# Altium PCB Copy+of+WX0.011.780PCB-4.2.pcbdoc (part 1 of 2)
Units mil, origin at the board's own origin, x right, y up, seen from the top; angles counter-clockwise.
Board outline 3138.9 x 10799.03 mil, 2 copper layers (Top Layer, Bottom Layer); 109 components, 87 nets, 467 pads, 386 vias.
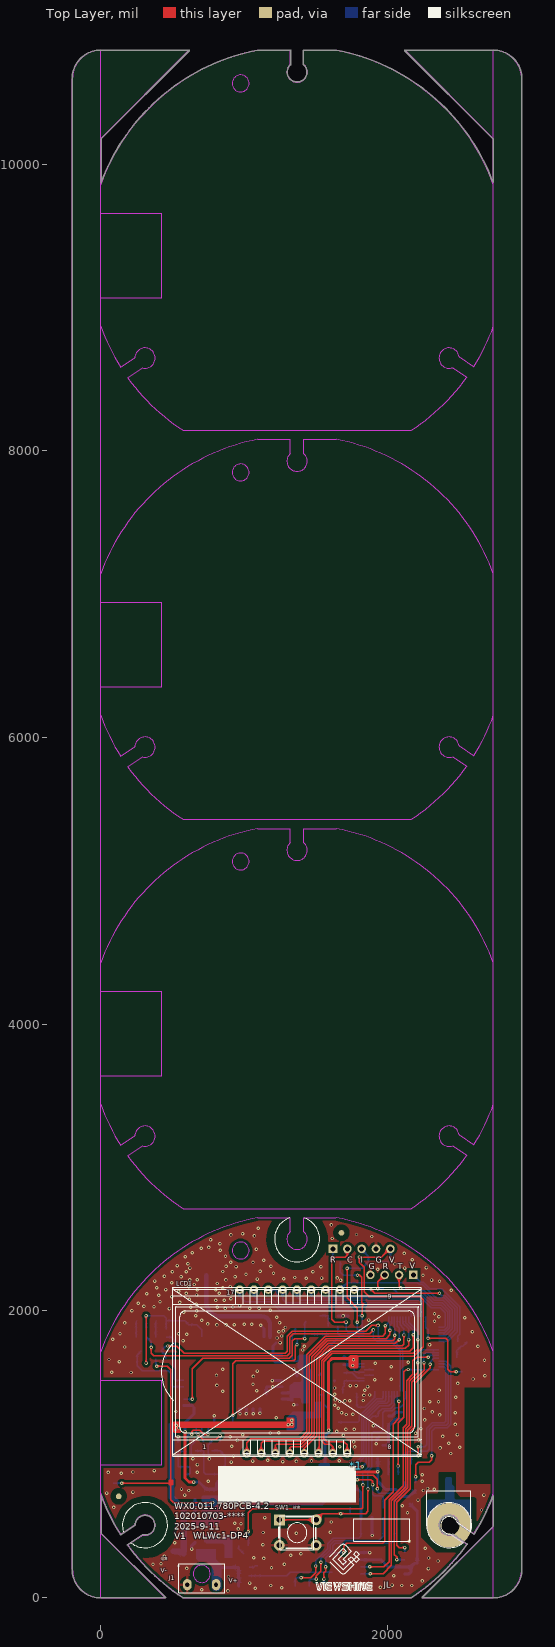
[diagram p0: Top Layer view]
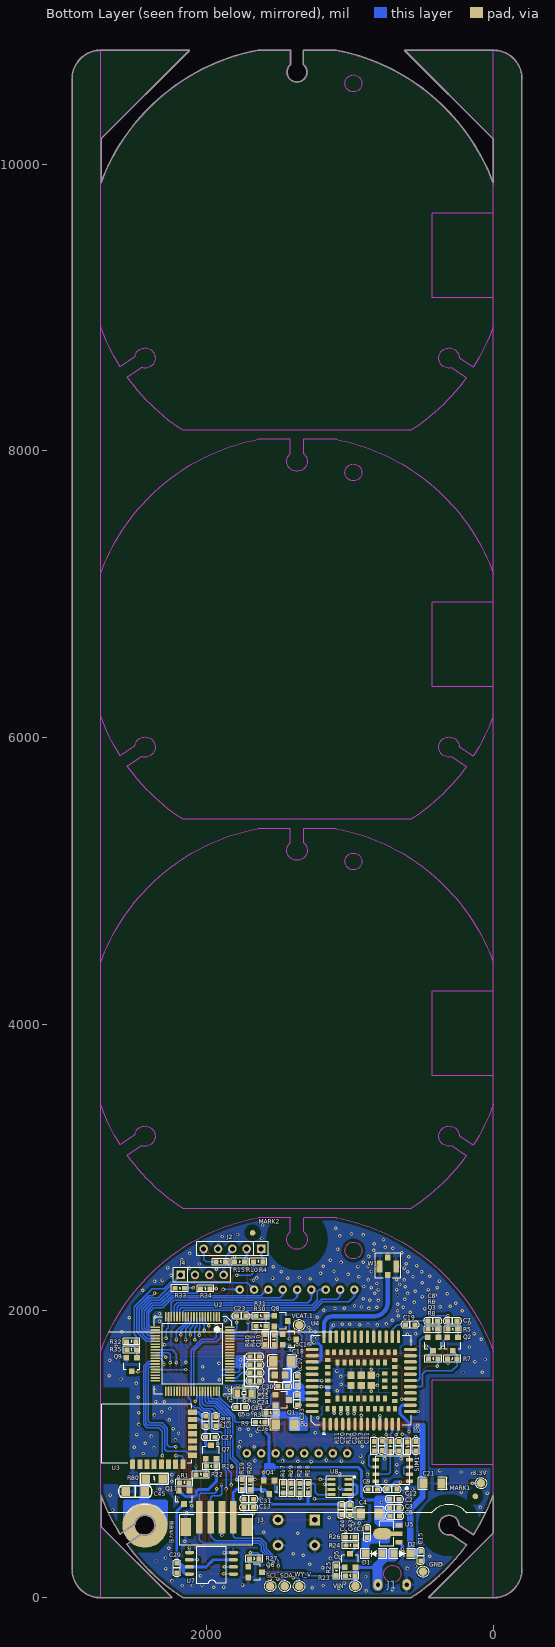
[diagram p1: Bottom Layer view, seen from below]

## Layer stack, top to bottom
Top Solder: solder mask 0.4, Solder Resist, Dk 3.5
Top Layer: signal copper 1.4
Dielectric1: core 12.6, FR-4, Dk 4.8
Bottom Layer: signal copper 1.4
Bottom Solder: solder mask 0.4, Solder Resist, Dk 3.5

## Board outline
-199.37,196.85 ccw(c0,196.85) 0,-2.51 450,-2.51 ccw(c450,0) 452.52,0 ccw(c450,0) 451.78,1.78 2.52,451.04 2.52,712.19 ccw(c1370.34,1220.47) 137.93,439.15 ccw(c140.05,440.5) 141.48,438.43 240.12,504.96 ccw(c238.73,507.05) 241.24,506.98 cw(c309.56,504.97) 377.91,504.97 cw(c309.56,504.97) 292.83,438.7 cw(c309.56,504.97) 292.81,438.7 ccw(c292.19,436.27) 292.19,438.78 ccw(c292.19,436.27) 290.78,438.35 cw(c292.19,436.27) 292.19,438.78 cw(c292.19,436.27) 292.83,438.7 290.78,438.35 188.33,369.25 ccw(c189.74,367.16) 187.7,365.69 ccw(c1370.34,1220.47) 573.73,-2.11 ccw(c575.1,0) 575.1,-2.51 2165.58,-2.51 ccw(c2165.58,0) 2166.95,-2.11 ccw(c1370.34,1220.47) 2556.43,370.49 ccw(c2554.39,371.96) 2556.9,371.96 ccw(c2554.39,371.96) 2555.8,374.04 2457.13,440.59 ccw(c2455.72,438.51) 2457.12,440.6 ccw(c2455.72,438.51) 2454.82,440.86 ccw(c2431.12,504.97) 2454.85,440.87 2454.82,440.86 cw(c2431.12,504.97) 2498.83,514.28 ccw(c2501.32,514.6) 2499.92,512.52 2602.37,443.41 ccw(c2603.78,445.5) 2603.78,442.98 ccw(c2603.78,445.5) 2605.9,444.16 ccw(c1370.34,1220.47) 2737.65,710.83 2737.65,496.04 2243.39,1.78 ccw(c2245.17,0) 2245.17,-2.51 2740.17,-2.51 ccw(c2740.17,196.85) 2939.53,196.85 2939.53,10597.15 ccw(c2937.02,10597.15) 2939.36,10598.06 ccw(c2740,10597.15) 2740,10796.52 2123.75,10796.52 ccw(c2123.75,10794) 2121.97,10792.23 2737.49,10176.71 2737.49,9873.33 ccw(c1370.34,9363.23) 1644.38,10796.47 ccw(c1643.91,10794) 1643.91,10796.52 1417.58,10796.52 ccw(c1417.58,10794) 1415.07,10794 1415.07,10695.58 ccw(c1417.58,10695.58) 1415.92,10693.69 cw(c1370.34,10642.76) 1438.69,10642.76 cw(c1370.34,10642.76) 1324.77,10693.7 ccw(c1323.09,10695.58) 1325.61,10695.58 1325.61,10794 ccw(c1323.09,10794) 1323.09,10796.52 1096.77,10796.52 ccw(c1096.77,10794) 1096.29,10796.47 ccw(c1370.34,9363.23) 2.52,9871.51 2.52,10176.71 618.03,10792.23 ccw(c616.25,10794) 618.76,10794 ccw(c616.25,10794) 616.25,10796.52 0,10796.52 ccw(c0,10597.15) -199.37,10597.15

## Design rules (kind name [scope] priority, off if disabled: settings)
Clearance VIA-PAD-SAME [IsVia vs IsPad] p1: gap=15 ignorepadtopadclearanceinfootprint=FALSE except(0: Arc-Hole Track-Hole SMDPad-Via SMDPad-Hole THPad-Via THPad-Hole Via-Via Via-Hole Fill-Hole Poly-Hole Region-Hole Text-Hole)
Clearance VIA-VIA [ISVIA vs ISVIA] p2: gap=20 ignorepadtopadclearanceinfootprint=FALSE except(0: Arc-Hole Track-Hole SMDPad-Hole THPad-Hole Via-Hole Fill-Hole Poly-Hole Region-Hole Text-Hole)
Clearance VIA-PAD [ISVIA vs ISPAD] p3: gap=15 ignorepadtopadclearanceinfootprint=FALSE except(0: Arc-Hole Track-Hole SMDPad-Hole THPad-Hole Via-Hole Fill-Hole Poly-Hole Region-Hole Text-Hole)
Clearance VIA-TRACK [ISVIA vs ISTRACK] p4: gap=15 ignorepadtopadclearanceinfootprint=FALSE except(0: Arc-Hole Track-Hole SMDPad-Hole THPad-Hole Via-Hole Fill-Hole Poly-Hole Region-Hole Text-Hole)
Clearance Polygon [InPolygon] p5: gap=20 ignorepadtopadclearanceinfootprint=FALSE except(0: Arc-Hole Track-Hole SMDPad-Hole THPad-Hole Via-Hole Fill-Hole Poly-Hole Region-Hole Text-Hole)
Clearance [All] p6: gap=7 ignorepadtopadclearanceinfootprint=FALSE except(0: Arc-Hole Track-Hole SMDPad-Hole THPad-Hole Via-Hole Fill-Hole Poly-Hole Region-Hole Text-Hole)
ComponentClearance [All] p1 off: gap=10 collisioncheckmode=3 verticalgap=10 showdistances=FALSE
FabricationTestPointUsage TestPointUsage [All] p1: valid=0 allowmultiple=FALSE
FabricationTestpoint Testpoint [(IsPad And (OnTopLayer Or OnBottomLayer))] p1: side=3 testpointundercomponent=TRUE minsize=40 maxsize=100 preferedsize=60 minholesize=0 maxholesize=40 preferedholesize=32 testpointgrid=1 allowsidetop=TRUE allowsidebottom=TRUE usegrid=TRUE gridtolerance=0.01
HoleSize [All] p1 off: absolutevalues=TRUE maxlimit=300 minlimit=0 maxpercent=80.000 minpercent=20.000
HoleToHoleClearance [All] p1 off: gap=10 allowstackedmicrovias=TRUE
LayerPairs [All] p1 off: enforce=TRUE
MinimumSolderMaskSliver [All] p1 off: minsoldermaskwidth=10
NetAntennae [All] p1 off: netantennaetolerance=0
PlaneConnect [All] p1: planeconnectstyle=Relief reliefexpansion=20 reliefentries=4 reliefconductorwidth=20 reliefairgap=10
PolygonConnect [isvia] p1: connectstyle=Direct reliefconductorwidth=15 reliefentries=4 polygonreliefangle="90 Angle" airgapwidth=10
PolygonConnect PolygonConnect_1 [All] p2: connectstyle=Relief reliefconductorwidth=20 reliefentries=4 polygonreliefangle="90 Angle" airgapwidth=20
RoutingVias [All] p1: holewidth=10 width=20 viastyle="Through Hole" minholewidth=5 minwidth=5 maxholewidth=50 maxwidth=100
SilkToBoardRegionClearance [All] p1 off:
SilkToSilkClearance [All] p1 off: silktosilkclearance=10
SilkToSolderMaskClearance [IsPad] p1 off: minsilkscreentomaskgap=10 clearancetoexposedcopper=TRUE
SolderMaskExpansion [All] p1: expansion=4
Width [All] p1: maxlimit=300 minlimit=8 preferedwidth=8
18 further rules are at their usual default settings.

## Components (designator, comment, footprint, x,y, rotation, side; value= is the part's Value field where it differs from the comment)
3.3V "TEST-PAD" TEST-PAD 87,798 r90 bottom
*1 "Bar Code1" "Bar Code1" 1783,919 r180 top locked
C1 "100nF/50V" CAP0603 881,418 r90 bottom
C2 "100nF/50V" CAP0603 724,686 r180 bottom
C3 "10uF/10V" CAP0603 723.51,626 r180 bottom
C4 "100uF/6.3V" GRM1206 863.7,589 r90 bottom
C5 "12pF/50V" CAP0603 1730.49,1328 r0 bottom
C6 "22pF/50V" CAP0603 722.51,568 r180 bottom
C7 "1nF/50V" CAP0603 319,1929.69 r180 bottom
C8 "1nF/50V" CAP0603 456,1930 r180 bottom
C9 "100nF/50V" CAP0603 809.49,754 r0 bottom
C10 "33pF/50V" CAP0603 659.46,1089.79 r270 bottom
C11 "33pF/50V" CAP0603 541.04,1089.79 r270 bottom
C12 "33pF/50V" CAP0603 740.51,755 r180 bottom
C13 "100nF/50V" CAP0603 1740,629 r180 bottom
C14 "12pF/50V" CAP0603 1632,1512 r0 bottom
C15 "100nF/50V" CAP0603 507,323 r270 bottom
C16 "100uF/6.3V" GRM1206 1472.7,1650 r90 bottom
C17 "33pF/50V" CAP0603 1370,1480.49 r90 bottom
C18 "22uF/10V" CAP0805 1451,1552 r90 bottom
C19 "1uF/16V" CAP0603 614,1904 r180 bottom
C20 "33pF/50V" CAP0603 777.04,1091.79 r270 bottom
C21 "100uF/6.3V" GRM1206 425,795 r270 bottom
C22 "100nF/50V" CAP0603 1632.49,1682 r0 bottom
C23 "33pF/50V" CAP0603 1727.49,1965 r0 bottom
C24 "100nF/50V" CAP0603 1697,1569 r180 bottom
C25 "100nF/50V" CAP0603 1631.49,1624 r0 bottom
C26 "100uF/6.3V" GRM1206 1456.7,1209 r90 bottom
C27 "10uF/10V" CAP0603 2008,1119 r180 bottom
C28 "1uF/16V" CAP0603 2007,1199 r90 bottom
C29 "100nF/50V" CAP0603 2209,239 r270 bottom
C30 "100nF/50V" CAP0603 1502.51,1474 r180 bottom
C31 "10uF/10V" CAP0603 1739,686 r180 bottom
C33 "10pF/50V" CAP0603 1370,1411.51 r270 bottom
C34 "10pF/50V" CAP0603 1937,1198.49 r90 bottom
C43 "10uF/10V" CAP0603 1001,645.51 r270 bottom
C44 "33pF/50V" CAP0603 1059,644.51 r270 bottom
C45 "103P/1KV" CAP1206 2431.2,740 r0 bottom
D1 "DS36W" SOD-123FL 773.91,306 r0 bottom
D2 "DS36W" SOD-123FL 696.91,306 r180 bottom
GND "TEST-PAD" TEST-PAD 491,181 r180 bottom
J1 "Header 2" VBAT 605.1,90 r0 bottom
J2 "Header 5" PIN254_1*5SR 1621,2433 r0 bottom
J3 "CON4" WX-PH-4AB 1815.38,560 r0 bottom locked
J4 "XH254_4P" HDR1X4_2.54 2182,2251 r180 bottom
LCD1 "LCD" JR-H25903AFP 1370.26,1574.75 r0 top locked
MARK1 "MARK" MARK 126,706 r90 bottom
MARK2 "MARK" MARK 1680,2544 r90 bottom
Q1 "UT3401ZG" SOT-23 1473,1378 r270 bottom
Q2 "NPNS-9013" SOT-23 284,1769 r0 bottom
Q3 "NPNS-9013" SOT-23 421,1769 r0 bottom
Q4 "UT3401ZG" SOT-23 1564,769 r0 bottom
Q5 "PNPS-9012" SOT-23 1000,258 r180 bottom
Q6 "NPNS-9013" SOT-23 1662.35,177 r270 bottom
Q7 "UT3401ZG" SOT-23 1970,1015.76 r180 bottom
Q8 "NPNS-9013" SOT-23 1482,1929 r270 bottom
Q9 "NPNS-9013" SOT-23 2523.4,1626.24 r0 bottom
Q10 "NPNS-9013" SOT-23 1422.76,1800.4 r270 bottom
Q11 "PNPS-9012" SOT-23 2158,700 r0 bottom
R1 "3K 5%" RES0603 2191,802 r180 bottom
R3 "2M 5%" RES0603 1586,1288 r180 bottom
R4 "100R 5%" RES0603 1673,2344 r180 bottom
R5 "4.7K 5%" RES0603 317,1871 r180 bottom
R6 "4.7K 5%" RES0603 456,1871.31 r180 bottom
R7 "4.7K 5%" RES0603 254,1665 r0 bottom
R8 "4.7K 5%" RES0603 453,1666 r180 bottom
R9 "200K 5%" RES0603 1659,1223 r180 bottom
R10 "10K 1%" RES0603 1738,2342 r0 bottom
R11 "22R 5%" RES0603 832.75,1089.65 r270 bottom
R12 "22R 5%" RES0603 718.17,1087.65 r270 bottom
R13 "22R 5%" RES0603 600.33,1086.65 r270 bottom
R15 "10K 1%" RES0603 1935,2342 r180 bottom
R16 "2M 5%" RES0603 2002,915 r180 bottom
R17 "2M 5%" RES0603 1466,731 r90 bottom
R18 "10K 1%" RES0603 1293,797 r270 bottom
R19 "10K 5%" RES0603 1754,822 r270 bottom
R20 "10K 5%" RES0603 1697,821 r270 bottom
R22 "200K 5%" RES0603 2076,858 r180 bottom
R23 "200k" RES0603 1032,152 r180 bottom
R24 "330K 5%" RES0603 1030,363 r180 bottom
R25 "10k" RES0603 1095,154 r90 bottom
R26 "220K 5%" RES0603 964,421 r0 bottom
R27 "10k" RES0603 1636.35,271 r0 bottom
R28 "10K 1%" RES0603 1351,796 r270 bottom
R29 "200K 5%" RES0603 1409,797 r270 bottom
R30 "3K 5%" RES0603 1655,1894 r180 bottom
R31 "10K 5%" RES0603 1655,1965 r180 bottom
R32 "3K 5%" RES0603 2492,1786 r0 bottom
R33 "1K 5%" RES0603 2154,2157 r0 bottom
R34 "1K 5%" RES0603 1976,2155 r0 bottom
R35 "1K 5%" RES0603 2558,1729 r180 bottom
R40 "3K 5%" RES0603 1591,1767 r90 bottom
R41 "10K 5%" RES0603 1530,1833 r270 bottom
R80 "1M 5%" RES1206 2307,829 r0 bottom
SCL "TEST-PAD" TEST-PAD 1558,80 r180 bottom
SDA "TEST-PAD" TEST-PAD 1457,80 r180 bottom
SIM1 "SIM  IC" SIMIC 821,984.43 r270 bottom
SW1 "KEY" DIP-6X6X8 1247.23,541.75 r0 top locked
U2 "FM33LG0x8" LQFP80 2099,1699 r270 bottom locked
U3 "DB809" DB809 2167,930 r90 bottom locked
U4 "EC801E" EC801E 922.13,1514.43 r90 bottom locked
U5 "CE6232A33P" SOT-89 695.26,445 r90 bottom
U7 "P25Q80H-SUH-IR" SOP-8L-200MIL 1814,164 r0 bottom
U8 "HP303B" LGA_8 979.86,698.72 r0 bottom
VCAT.1 "TEST-PAD" TEST-PAD 1355,1901 r90 bottom
VIN "TEST-PAD" TEST-PAD 963,80 r180 bottom
W1 "天线" ANT-IPEX_1 736.93,2248.98 r90 bottom
WY_V "TEST-PAD" TEST-PAD 1356,80 r90 bottom
Y1 "SF32WK32768D71T005" SMD-3215_2P 1689,1425 r0 bottom

## Footprints (in the part's own frame and the unit in brackets; to place one, negate y for a bottom-side part, rotate by r counter-clockwise, add the part's x,y. Pads: shape width x height; smd on the part's side, far side on the other; paste and mask are expansions set on the pad)
ANT-IPEX_1 [mm]
  rect 1.05x1 smd: 1(0,0)
  rect 2.2x1 smd: 2(1.55,-1.475) 2(1.55,1.475)
  rect 1x1 smd: 2(3.151,0)
  silkscreen extent -0.56,-2.26 3.9,2.26
"Bar Code1" [mil]
  silkscreen extent 0,0 965,256
CAP0603 [mil]
  rect 35x31 smd: 1(-0.49,0) 2(66.51,0)
  silkscreen extent -29,-24 94,23, body extent 1,-15 72,15, height 20
CAP0805 [mm]
  rect 1.27x1.14 smd: 1(0,0) 2(0,1.9)
  silkscreen extent -1.14,-1.02 1.14,2.92
CAP1206 [mil]
  rect 60x60 smd: 1(0,0) 2(134.8,0)
  silkscreen extent -48,-40 184,40, body extent -15,-29 163,29, height 20
DB809 [mm]
  rect 1.6x0.9 smd: 1(0,8.89) 2(0,7.62) 3(0,6.35) 4(0,5.08) 5(0,3.81) 6(0,2.54) 7(0,1.27) 8(0,0)
  rect 0.9x1.6 smd: 9(1.59,-1.7) 10(2.86,-1.7) 11(4.13,-1.7) 12(5.4,-1.7) 13(6.67,-1.7) 14(7.94,-1.7) 15(9.21,-1.7)
  silkscreen extent 0.15,-1.6 10.65,14.4
DIP-6X6X8 [mm]
  rect 1.9x1.9 hole 1: 1(0,0)
  round 1.9 hole 1: 1(6.5,0) 2(0,-4.5) 2(6.5,-4.5)
  silkscreen extent -0.16,-5.04 6.48,0.54, body extent -0.97,-5.21 7.24,0.79, height 7.95
EC801E [mm] "EC801E Moudle 109PIN 17.7X15.8mm H2.4mm RO"
  oval 2.3x0.6 smd mask+0.05: 1(-7.75,6.6) 2(-7.75,5.5) 3(-7.75,4.4) 4(-7.75,3.3) 5(-7.75,2.2) 6(-7.75,1.1) 7(-7.75,0) 8(-7.75,-1.1) 9(-7.75,-2.2) 10(-7.75,-3.3) 11(-7.75,-4.4) 12(-7.75,-5.5) 13(-7.75,-6.6) 23(7.75,-6.6) 24(7.75,-5.5) 25(7.75,-4.4) 26(7.75,-3.3) 27(7.75,-2.2) 28(7.75,-1.1) 29(7.75,0) 30(7.75,1.1) 31(7.75,2.2) 32(7.75,3.3) 33(7.75,4.4) 34(7.75,5.5) 35(7.75,6.6)
  oval 0.6x2.3 smd mask+0.05: 14(-4.4,-8.7) 15(-3.3,-8.7) 16(-2.2,-8.7) 17(-1.1,-8.7) 18(0,-8.7) 19(1.1,-8.7) 20(2.2,-8.7) 21(3.3,-8.7) 22(4.4,-8.7) 36(4.4,8.7) 37(3.3,8.7) 38(2.2,8.7) 39(1.1,8.7) 40(0,8.7) 41(-1.1,8.7) 42(-2.2,8.7) 43(-3.3,8.7) 44(-4.4,8.7) 95(-5.5,-8.7) 96(5.5,-8.7) 97(5.5,8.7) 98(-5.5,8.7)
  rect 1x0.7 smd mask+0.05: 45(-5,4.8) 46(-5,3.6) 47(-5,2.4) 48(-5,1.2) 49(-5,0) 50(-5,-1.2) 51(-5,-2.4) 52(-5,-3.6) 53(-5,-4.8) 59(5,-4.8) 60(5,-3.6) 61(5,-2.4) 62(5,-1.2) 63(5,0) 64(5,1.2) 65(5,2.4) 66(5,3.6) 67(5,4.8) 73(-3.2,4.2) 74(-3.2,3) 75(-3.2,1.8) 76(-3.2,0.6) 77(-3.2,-0.6) 78(-3.2,-1.8) 79(-3.2,-3) 80(-3.2,-4.2) 81(3.2,-4.2) 82(3.2,-3) 83(3.2,-1.8) 84(3.2,-0.6) 85(3.2,0.6) 86(3.2,1.8) 87(3.2,3) 88(3.2,4.2) 99(-5,6) 100(-5,-6) 103(5,-6) 104(5,6)
  rect 0.7x1 smd mask+0.05: 54(-2.4,-5.95) 55(-1.2,-5.95) 56(0,-5.95) 57(1.2,-5.95) 58(2.4,-5.95) 68(2.4,5.95) 69(1.2,5.95) 70(0,5.95) 71(-1.2,5.95) 72(-2.4,5.95) 101(-3.6,-5.95) 102(3.6,-5.95) 105(3.6,5.95) 106(-3.6,5.95) 107(-1.2,-4.15) 108(0,-4.15) 109(1.2,-4.15)
  rect 1.3x1.3 smd mask+0.05: 89(-0.9,1.8) 90(-0.9,0) 91(-0.9,-1.8) 92(0.9,-1.8) 93(0.9,0) 94(0.9,1.8)
  silkscreen extent -9.65,-8.85 7.9,8.85, body extent -7.9,-8.85 7.9,8.85, height 2.4
GRM1206 [mm]
  rect 1.728x1.485 smd: 1(0,-1.593) 2(0,1.593)
  silkscreen extent -1.09,-2.56 1.09,2.56
HDR1X4_2.54 [mm] "Connector; Header; 4 Position"
  rect 1.5x1.5 hole 0.9: 1(0,0)
  round 1.5 hole 0.9: 2(2.54,0) 3(5.08,0) 4(7.62,0)
  silkscreen extent -1.27,-1.27 8.89,1.27, body extent -1.3,-1.3 8.86,1.24, height 8.54
JR-H25903AFP [mm]
  round 1.5 hole 0.8: 1(-8.903,-14.449) 2(-6.363,-14.449) 3(-3.823,-14.449) 4(-1.283,-14.449) 5(1.257,-14.449) 6(3.797,-14.449) 7(6.337,-14.449) 8(8.877,-14.449) 9(10.147,14.578) 10(7.607,14.578) 11(5.067,14.578) 12(2.527,14.578) 13(-0.013,14.578) 14(-2.553,14.578) 15(-5.093,14.578) 16(-7.633,14.578) 17(-10.173,14.578)
  silkscreen extent -24.06,-14.68 22.05,14.68
LGA_8 [mm]
  rect 1.8x0.5 smd: 1(1.039,-0.504)
  rect 1.4x0.5 smd: 2(0.839,-1.404) 3(0.839,-2.304) 4(0.839,-3.204) 5(3.839,-3.204) 6(3.839,-2.304) 7(3.839,-1.404) 8(3.839,-0.504)
  silkscreen extent -0.4,-3.78 4.72,0.05
LQFP80 [mm]
  oval 1.7x0.3 smd: 1(-6.6,4.75) 2(-6.6,4.25) 3(-6.6,3.75) 4(-6.6,3.25) 5(-6.6,2.75) 6(-6.6,2.25) 7(-6.6,1.75) 8(-6.6,1.25) 9(-6.6,0.75) 10(-6.6,0.25) 11(-6.6,-0.25) 12(-6.6,-0.75) 13(-6.6,-1.25) 14(-6.6,-1.75) 15(-6.6,-2.25) 16(-6.6,-2.75) 17(-6.6,-3.25) 18(-6.6,-3.75) 19(-6.6,-4.25) 20(-6.6,-4.75) 41(6.6,-4.75) 42(6.6,-4.25) 43(6.6,-3.75) 44(6.6,-3.25) 45(6.6,-2.75) 46(6.6,-2.25) 47(6.6,-1.75) 48(6.6,-1.25) 49(6.6,-0.75) 50(6.6,-0.25) 51(6.6,0.25) 52(6.6,0.75) 53(6.6,1.25) 54(6.6,1.75) 55(6.6,2.25) 56(6.6,2.75) 57(6.6,3.25) 58(6.6,3.75) 59(6.6,4.25) 60(6.6,4.75)
  oval 0.3x1.7 smd: 21(-4.75,-6.6) 22(-4.25,-6.6) 23(-3.75,-6.6) 24(-3.25,-6.6) 25(-2.75,-6.6) 26(-2.25,-6.6) 27(-1.75,-6.6) 28(-1.25,-6.6) 29(-0.75,-6.6) 30(-0.25,-6.6) 31(0.25,-6.6) 32(0.75,-6.6) 33(1.25,-6.6) 34(1.75,-6.6) 35(2.25,-6.6) 36(2.75,-6.6) 37(3.25,-6.6) 38(3.75,-6.6) 39(4.25,-6.6) 40(4.75,-6.6) 61(4.75,6.6) 62(4.25,6.6) 63(3.75,6.6) 64(3.25,6.6) 65(2.75,6.6) 66(2.25,6.6) 67(1.75,6.6) 68(1.25,6.6) 69(0.75,6.6) 70(0.25,6.6) 71(-0.25,6.6) 72(-0.75,6.6) 73(-1.25,6.6) 74(-1.75,6.6) 75(-2.25,6.6) 76(-2.75,6.6) 77(-3.25,6.6) 78(-3.75,6.6) 79(-4.25,6.6) 80(-4.75,6.6)
  silkscreen extent -6.62,-6.81 7.1,6.91, body extent -5.33,-5.33 5.36,5.33, height 2
MARK [mm]
  round 1 smd: 0(0,0)
  round 1 smd far side: 1(0,0)
  Top Layer pour cut-out: -1.5,0 -1.386,-0.574 -1.061,-1.061 -0.574,-1.386 0,-1.5 0,-1.5 0.574,-1.386 1.061,-1.061 1.386,-0.574 1.5,0 1.5,0 1.386,0.574 1.061,1.061 0.574,1.386 0,1.5 0,1.5 -0.574,1.386 -1.061,1.061 -1.386,0.574 -1.5,0
  Bottom Layer pour cut-out: -1.5,0 -1.386,-0.574 -1.061,-1.061 -0.574,-1.386 0,-1.5 0,-1.5 0.574,-1.386 1.061,-1.061 1.386,-0.574 1.5,0 1.5,0 1.386,0.574 1.061,1.061 0.574,1.386 0,1.5 0,1.5 -0.574,1.386 -1.061,1.061 -1.386,0.574 -1.5,0
PIN254_1*5SR [mil]
  rect 60x60 hole 35: 1(0,0)
  round 60 hole 35: 2(100,0) 3(200,0) 4(300,0) 5(400,0)
  silkscreen extent -50,-50 450,50
RES0603 [mil]
  rect 35x31 smd: 1(0,0) 2(67,0)
  silkscreen extent -26,-24 92,23, body extent 0,-15 71,15, height 12
RES1206 [mil]
  rect 60x60 smd: 1(0,0) 2(118.11,0)
  silkscreen extent -39,-39 157,39, body extent -28,-29 150,29, height 20
SIMIC [mm]
  rect 0.6x1.2 smd: 1(4.405,6) 2(3.135,6) 3(1.865,6) 4(0.595,6) 5(0.595,0) 6(1.865,0) 7(3.135,0) 8(4.405,0)
  silkscreen extent 0,0 5.73,6, body extent 0,0 4.95,5.97, height 0.6
SMD-3215_2P [mm]
  rect 1x1.3 smd: 1(0,0) 2(2.5,0)
  silkscreen extent -0.69,-0.91 3.19,0.91, body extent -0.3,-0.99 2.9,0.99, height 0.7
SOD-123FL [mm]
  rect 1.3x1.4 smd: 1(0.074,0) 2(2.974,0)
  silkscreen extent -0.78,-0.9 3.82,0.9, body extent -0.28,-0.82 3.32,0.83, height 0.95
SOP-8L-200MIL [mm]
  oval 1.6x0.61 smd: 1(0,0) 2(0,-1.27) 3(0,-2.54) 4(0,-3.81) 5(7.8,-3.81) 6(7.8,-2.54) 7(7.8,-1.27) 8(7.8,0)
  silkscreen extent 1.27,-4.83 6.48,1.68, body extent 0.89,-4.35 6.89,0.55, height 1.7
SOT-23 [mil]
  rect 40x40 smd: 1(-37.4,-47.24) 2(37.4,-47.24) 3(0,47.24)
  silkscreen extent -57,-12 57,35, body extent -57,-55 57,55, height 47
SOT-89 [mm]
  rect 0.8x1.27 smd: 1(-1.5,-0.9) 3(1.5,-0.9)
  rect 0.8x2.54 smd: 2(0,-0.265)
  oval 2x3.3 smd: 2(0,2)
  silkscreen extent -2.25,0 2.25,2.5, body extent -2.25,-1.02 2.25,2.92, height 1.4
TEST-PAD [mm]
  round 1.5 smd: 1(0,0)
  silkscreen extent -1,-1 1,1
VBAT [mil]
  oval 60x78.74 hole 30: 1(0,0) 2(200,0)
  Keep-Out Layer circle w5: c100,-75 r60
WX-PH-4AB [mm]
  rect 1.2x5.69 smd: 1(0,0) 2(2,0) 3(4,0) 4(6,0)
  rect 1.8x3.2 smd: 5(8.4,1.75) 6(-2.4,1.75)
  silkscreen extent -3.43,-0.47 9.46,4.93

## Part data
3.3V GND SCL SDA VCAT.1 VIN WY_V: library part AD_WXHJ_TEST-PAD_01, "单面焊盘测试点"
*1: library part "AD_WXHJ_Bar Code_02", "条形码 ,填充，无需焊接器件", Part Name=条形码, ID=17, Part Number="AD_WXHJ_Bar Code_02", SMD/DIP=SMD
C1 C2 C9 C13 C15 C22 C24 C25 C29: library part 101020103-0021, "104pF,50 V,±10%,0603,国巨,CC0603KRX7R9BB104", Part Name=0603贴片电容, ID=3, Part Number=101020103-0021, SMD/DIP=SMD
C3 C27 C31 C43: library part 101020103-0026, "106pF,10 V,±10%,0603,村田,GRM188R61A106KE47D", Part Name=0603贴片电容, ID=8, Part Number=101020103-0026, SMD/DIP=SMD
C4 C16 C26: library part 101020101-0020, "100uF,6.3 V,±20%,1206,村田,GRM31CR60J107ME39L"
C5 C14: library part 101020103-0005, "12P,50 V,±5%,0603,国巨,CC0603JRNPO9BN12", Part Name=0603贴片电容, ID=11, Part Number=101020103-0005, SMD/DIP=SMD
C6: library part 101020103-0009, "22pF,50 V,±5%,0603,国巨,CC0603JRNPO9BN22"
C7 C8: library part 101020103-0022, "102pF,50 V,±10%,0603,国巨,CC0603KRX7R9BB102", Part Name=0603贴片电容, ID=13, Part Number=101020103-0022, SMD/DIP=SMD
C10 C11 C12 C17 C20 C23 C44: library part 101020103-0027, "33pF,50 V,±10%,0603,国巨,CC0603KRNPO9BN33", Part Name=0603贴片电容, ID=17, Part Number=101020103-0027, SMD/DIP=SMD
C18: library part 101020102-0012, "226P,10 V,±20%,0805,村田电子有限公司,GRM21BR61A226ME51L"
C19 C28: library part 101020103-0003, "105pF,16 V,±10%,0603,国巨,CC0603KRX7R7BB105", Part Name=0603贴片电容, ID=14, Part Number=101020103-0003, SMD/DIP=SMD
C21: library part 101020101-0020, "100uF,6.3 V,±20%,1206,村田,GRM31CR60J107ME39L", Part Name=贴片电容, ID=27, Part Number=101020101-0020, SMD/DIP=SMD
C30: library part 101020103-0021, "104pF,50 V,±10%,0603,国巨,CC0603KRX7R9BB104"
C33: library part 101020103-0014, "10pF,50 V,±5%,0603,X7R,国巨,CC0603JRNPO9BN100"
C34: library part 101020103-0014, "10pF,50 V,±5%,0603,X7R,国巨,CC0603JRNPO9BN100", Part Name=0603贴片电容, ID=7, Part Number=101020103-0014, SMD/DIP=SMD
C45: library part 101020103-0021, "103P/1KV,±10％,1206", Part Name=1206贴片电容, Part Number=101020101-0003, ID=3, SMD/DIP=SMD
D1 D2: library part 101040101-0055, "DS36W,SOD123-FL,3 A,42 V,60 V,浙江领晨科技有限公司,DS36W"
J1: "Header, 2-Pin"
J2: "Header, 5-Pin"
J3: "Connector"
J4: library part 90003, "单排插针，4PIN,间距2.54mm", Part Name=单排插针, ID=12, Part Number=90003
LCD1: library part LCDSH
MARK1 MARK2: library part AD_WXHJ_MARK_01, "MARK点", ID=8, Part Name=MARK点, Part Number=AD_WXHJ_MARK_01, SMD/DIP=SMD
Q1 Q4 Q7: library part 101040201-0013, "UT3401ZG,P-MOS,SOT-23,UTC,UT3401ZG", Part Name=功率MOS管, ID=18, Part Number=101040201-0013, SMD/DIP=SMD
Q2 Q3 Q6 Q8 Q9: library part 101040201-0002, "9013,NPN,SOT-23,长电,S9013"
Q5: library part 101040201-0001, "9012,PNP,SOT-23,JCET;长电,S9012"
Q10: library part 101040201-0002, "9013,NPN,SOT-23,长电,S9013", Part Name=贴片三极管, ID=14, Part Number=101040201-0002, SMD/DIP=SMD
Q11: library part 101040201-0001, "9012,PNP,SOT-23,JCET;长电,S9012", Part Name=贴片三极管, ID=16, Part Number=101040201-0001, SMD/DIP=SMD
R1 R30: library part 101010103-0006, "国巨,±5%,0603,,155 ℃,-55 ℃,RC0603JR-073KL,无铅,100 ppm/℃,1/10W,,3K"
R3 R16: library part 101010103-0025, "国巨,±5%,0603,,155 ℃,-55 ℃,RC0603JR-072ML,含铅,100 ppm/℃,1/10W,,2M", Part Name=0603贴片电阻, ID=20, Part Number=101010103-0025, SMD/DIP=SMD
R4: library part 101010103-0022, "100R,±5%,1/10W,0603,国巨,RC0603JR-07100RL", Part Name=0603贴片电阻, ID=5, Part Number=101010103-0022, SMD/DIP=SMD
R5 R6 R7 R8: library part 101010103-0042, "4.7K±5%,1/10W,0603", Part Name=0603贴片电阻, ID=24, Part Number=101010103-0042, SMD/DIP=SMD
R9 R22: library part 101010103-0034, "200K,±5%,1/10W,0603,国巨,RC0603JR-07200KL", Part Name=0603贴片电阻, ID=13, Part Number=101010103-0034, SMD/DIP=SMD
R10 R15: library part 101010103-0052, "10K±1%,1/10W,0603", Part Name=0603贴片电阻, ID=6, Part Number=101010103-0052, SMD/DIP=SMD
R11 R12 R13: library part 101010103-0009, "国巨,±5%,0603,,155 ℃,-55 ℃,RC0603JR-0722RL,无铅,200 ppm/℃,1/10W,,22欧", Part Name=0603贴片电阻, ID=18, Part Number=101010103-0009, SMD/DIP=SMD
R17: library part 101010103-0025, "国巨,±5%,0603,,155 ℃,-55 ℃,RC0603JR-072ML,含铅,100 ppm/℃,1/10W,,2M"
R18 R28: library part 101010103-0052, "10K±1%,1/10W,0603"
R19 R20: library part 101010103-0003, "国巨,±5%,0603,,155 ℃,-55 ℃,RC0603JR-0710KL,无铅,200 ppm/℃,1/10W,,10K", Part Name=0603贴片电阻, ID=7, Part Number=101010103-0003, SMD/DIP=SMD
R23 R25 R27: library part RES
R24: library part 101010103-0066, "330K,±5%,1/10W,0603,国巨,RC0603JR-07330KL", Part Name=0603贴片电阻, ID=30, Part Number=101010103-0066, SMD/DIP=SMD
R26: library part 101010103-0044, "220K,±5%,1/10W,0603,国巨,RC0603JR-07220KL", Part Name=0603贴片电阻, ID=31, Part Number=101010103-0044, SMD/DIP=SMD
R29: library part 101010103-0003, "10K±5%,1/10W,0603", Part Name=0603贴片电阻, ID=32, Part Number=101010103-0003
R31 R41: library part 101010103-0003, "国巨,±5%,0603,,155 ℃,-55 ℃,RC0603JR-0710KL,无铅,200 ppm/℃,1/10W,,10K"
R32 R33 R34 R40: library part 101010103-0006, "3K±5%,1/10W,0603", Part Name=0603贴片电阻, ID=56, Part Number=101010103-0006
R35: library part 101010103-0004, "20K±5%,1/10W,0603", Part Name=0603贴片电阻, ID=43, Part Number=101010103-0004
R80: library part 101010103-0002, "国巨,±5%,0603,,155 ℃,-55 ℃,RC0603JR-071ML,无铅,200 ppm/℃,1/10W,,1M", Part Name=0603贴片电阻, ID=11, Part Number=101010103-0002, SMD/DIP=SMD
SIM1: library part SIMCARD_1
SW1: library part SW-PB, "Switch"
U3: library part 1011402-0194, "北高智蓝牙模块DB809", Part Name=蓝牙模块, ID=15, Part Number=1011402-0194, SMD/DIP=SMD
U4: "EC801E Moudle 109PIN 17.7X15.8mm H2.4mm RO", Manufacturer=QUECTEL, Geometry.Height=2.4mm, Part Description="EC801E Moudle 109PIN 17.7X15.8mm H2.4mm RO"
U5: library part 1010503-0029, "CE6232-3.3,CE6232-3.3,SOT89-3,8V,1.8V,0.11V,3.3V,300mA,0.8uA,南京芯力微电子有限公司"
U7: library part 101050101-0218, "P25Q80H-SUH-IR,SOP8208mil,普冉半导体（上海）股份有限公司,P25Q80H-SUH-IR"
W1: library part 1010902-0145, "UB06000058A,3*3.1*1.25mm,公头,单排,IPEX一代板端"
Y1: library part 1010601-0020, "SF32WK32768D71T005,3215,32.768kHz,-0.03 ppm/℃,无源,湖北泰晶电子科技股份有限公司,SF32WK32768D71T005", Part Name=贴片晶振, ID=45, Part Number=1010601-0020, SMD/DIP=SMD
U8: 1=1011301-0022

## Free pads (board coordinates)
  round 314.96 hole 141.73: 1(2431.12,504.97)

## Via types
v1: diameter 24, hole 12, Top Layer to Bottom Layer, tented both sides, 386 vias

## Nets (pads, with @x,y where several pads share a name; then routed paths per layer and width w, separated by ;. In a path a pad name is that pad's centre, name@x,y a point inside that pad or via, vN(x,y) a via of type N, cw(c..) or ccw(c..) an arc to the next point about the centre after c; other vN are vias at no path point)
3.3V: 3.3V.1 C2.1 C3.1 C4.1 C6.1 C22.2 C25.2 J2.5 Q4.2 Q7.2 Q11.2 R8.2 R10.2 R15.1 R16.2 R17.2 U2.64 U2.66 U2.67 U5.3 | length 7006.8
  Top Layer w10: v1(148,798) 490,798 ; v1(392,1614) 465,1614 490,1589 490,798 ; v1(781,663) 510,663 490,683 490,798 ; v1(1764,1659) 1787,1682 2184.04,1682 2251,1748.96 2251,2079 2230,2100 1873,2100 1840,2133 1840,2305 1805,2340 v1(1805,2376) 1957,2376 2014,2433 J2.5@2021,2433
  Top Layer w20: v1(1590,1168) 1590,1643 1616,1669 1748,1669 ; v1(1602,875) 1931,875 v1(1933,877)
  Bottom Layer w10: 3.3V.1@87,798 v1(148,798) ; R8.2@386,1666 386,1620 v1(392,1614) ; R17.2@1466,798 1466,903.57 1471.43,909 1473.22,910.78 ; 1770,1608 1770,1583 1781.95,1571.05 U2.64@1839.16,1571.05 ; 1784.58,1610.42 U2.66@1839.16,1610.42 ; 1789.9,1630.1 U2.67@1839.16,1630.1 ; R10.2@1805,2342 v1(1805,2376) ; R15.1@1935,2342 2005,2342 2021,2358 2021,2427 J2.5@2021,2433
  Bottom Layer w20: 807,681 896,681 920,705 920,885 944,909 1471.43,909 1563,909 ; v1(1590,1168) 1590,1153 1566.27,1129.27 1566.27,912.27 1601.4,877.14 Q4.2@1601.4,816.24 ; C25.2@1698,1624 1745,1624 ; C22.2@1699,1682 1718,1663 1752,1663 ; Q7.2@1932.6,968.51 1933,968.11 v1(1933,877) 1933,811 1989,755 2060,755 2073.61,741.39 2073.61,714.39 2084,704 2152.16,704 Q11.2@2195.4,747.24 ; J2.5@2021,2427 2015,2433 J2.5@2021,2439
  other v1: 1758,1619
CAT.1-RESET: Q8.3 U4.15 | length 1323.6
  Top Layer w10: v1(640.51,1384.51) 640.51,1595.51 714,1669 1317,1669 1338,1690 1338,1792 1353,1807 v1(1423,1807)
  Bottom Layer w10: U4.15@579.61,1384.51 v1@635.51,1384.51 ; v1(1423,1807) 1423,1917.24 Q8.3@1434.76,1929
CAT.1-RXD: Q2.3 R7.1 U4.17 | length 547.2
  Bottom Layer w10: Q2.3@284,1721.76 254,1691.76 R7.1@254,1665 254,1618 290,1582 472,1582 497,1557 497,1481 506.87,1471.13 U4.17@579.61,1471.13
CAT.1-TXD: Q3.2 U4.18 | length 403.8
  Bottom Layer w10: Q3.2@458.4,1816.24 492.76,1816.24 514,1795 514,1526 525.57,1514.43 U4.18@579.61,1514.43
CAT.1_KEY: R40.1 U2.76 | length 263.6
  Bottom Layer w10: R40.1@1591,1770 1617,1770 1633.99,1786.99 1633.99,1787.06 1651.51,1804.58 1651.58,1804.58 1654.27,1807.27 U2.76@1839.16,1807.27
CAT.1_PWR: R9.1 U2.57 | length 446.3
  Bottom Layer w10: R9.1@1659,1223 1794,1223 1803,1232 1803,1264.17 1926.83,1388 1964,1388 1971.05,1395.05 U2.57@1971.05,1439.16
CAT.1_VCC: C16.1 C17.1 C18.1 C30.2 C33.1 Q1.3 U4.42 U4.43 VCAT.1.1 | length 432.8
  Bottom Layer w10: VCAT.1.1@1357,1878 1357,1844 1338,1825 1338,1667 1355,1650 C16.1@1410,1650
  Bottom Layer w20: U4.43@1264.65,1384.51 1332,1384.51 ; U4.42@1264.65,1427.82 1332.18,1427.82
CAT.1_VIN: C15.1 C21.1 C26.1 D2.2 Q1.2 R3.2 | length 80.1
  Bottom Layer w40: C15.1@507,323.49 562.34,323.49 D2.2@579.83,306
  other v1: 522,1169 546,1183 528,1203 1309,1207 1334,1208 1334,1237
CHEAK_POWER: R27.1 U2.52 | length 1535.2
  Top Layer w10: v1(1695.53,313.5) 1695.53,358.53 1717,380 1969,380 1983,394 1983,680 2041,738 2041,1210 2081,1250 v1(2081,1369.97)
  Bottom Layer w10: R27.1@1636.35,271 1636.35,306.35 1643.5,313.5 v1(1695.53,313.5) ; U2.52@2069.47,1439.16 2069.47,1381.5 v1(2081,1369.97)
COM0: LCD1.1 U2.6 | length 1798
  Top Layer w10: LCD1.1@1019.74,1005.89 1019.74,1079.74 1048,1108 1390.83,1108 1439,1156.17 1439,1695.29 1567.71,1824 1967,1824 1986,1843 v1(1986,1896)
  Bottom Layer w10: v1(1986,1896) 2010.42,1920.42 U2.6@2010.42,1958.84
COM1: LCD1.2 U2.7 | length 1729.6
  Top Layer w10: LCD1.2@1119.74,1005.89 1119.74,1077.74 1133,1091 1397.88,1091 1456,1149.12 1456,1688.25 1574.75,1807 1992,1807 2018,1833 v1(2018,1865)
  Bottom Layer w10: v1(2018,1865) 2018,1902 2030.1,1914.1 U2.7@2030.1,1958.84
COM2: LCD1.3 U2.8 | length 1667.4
  Top Layer w10: LCD1.3@1219.74,1005.89 1219.74,1061.74 1227,1069 1399.92,1069 1473,1142.08 1473,1681.21 1581.79,1790 2037,1790 2051,1804 v1(2051,1830)
  Bottom Layer w10: U2.8@2049.79,1958.84 2050,1958.63 2048.01,1956.64 2048.01,1923.86 2048,1880.25 2051,1877.25 v1(2051,1830)
COM3: LCD1.4 U2.9 | length 1595.2
  Top Layer w10: LCD1.4@1319.74,1005.89 1319.74,1043.74 1328,1052 1406.96,1052 1490,1135.04 1490,1674.17 1588.83,1773 2057,1773 v1(2083,1799)
  Bottom Layer w10: U2.9@2069.47,1958.84 2069.47,1892.53 2083,1879 v1(2083,1799)
EARTH: C45.1 pad.1 R80.2
FLASH_CLK: U2.30 U7.6 | length 1689.3
  Top Layer w10: v1(2066.5,265) 2066.5,283.5 2050,300 2050,672.96 2144,766.96 2144,1168.96 2170,1194.96 2170,1500.92 2256,1586.92 v1(2256,1639.03)
  Bottom Layer w10: v1(2066.5,265) 2067.5,264 U7.6@2121.09,264 ; v1(2256,1639.03) 2254,1641.03 2254,1696 2267,1709 2358.69,1709 U2.30@2358.84,1708.84
FLASH_CS: U2.29 U7.1 | length 1949.7
  Top Layer w10: v1(1880,166) 1971,166 2029,224 2029,676 2127,774 2127,1176 2153,1202 2153,1507.96 2212,1566.96 v1(2212,1639)
  Bottom Layer w10: U7.1@1814,164 1816,166 v1(1880,166) ; v1(2212,1639) 2212,1699 2241.53,1728.53 U2.29@2358.84,1728.53
FLASH_CTL: R1.1 U2.33 | length 1105.1
  Top Layer w10: v1(2197,843) 2197,925 2217,945 2292,945 2309,962 v1(2309,989)
  Bottom Layer w10: R1.1@2191,802 2197,808 v1(2197,843) ; v1(2309,989) 2309,1159 2335,1185 2417.04,1185 2441,1208.96 2441,1615 2406.21,1649.79 U2.33@2358.84,1649.79
FLASH_MISO: U2.31 U7.2 | length 1878.9
  Top Layer w10: v1(1877,214) 1975.96,214 2012,250.04 2012,683.04 2110,781.04 2110,1183.04 2135,1208.04 2135,1514 2179,1558 2179,1651.25 2204.75,1677 v1(2286,1677)
  Bottom Layer w10: U7.2@1814,214 v1(1877,214) ; v1(2286,1677) 2298.16,1689.16 U2.31@2358.84,1689.16
FLASH_MOSI: U2.32 U7.5 | length 1541.7
  Top Layer w10: v1(2121.09,348.91) 2082.09,348.91 2067,364 2067,665.92 2161,759.92 2161,1161.92 2196,1196.92 2196,1500 2298.38,1602.38 v1(2298.38,1627.18)
  Bottom Layer w10: U7.5@2121.09,314 v1(2121.09,348.91) ; v1(2298.38,1627.18) 2298.38,1643.38 2324.47,1669.47 U2.32@2358.84,1669.47